# Altium PCB USB_HUB.PcbDoc (part 1 of 2)
Units mil, origin at the board's own origin, x right, y up, seen from the top; angles counter-clockwise.
Board outline 2559.06 x 3937.01 mil, 4 copper layers (Top Layer, Top GND, Bottom GND, Bottom Layer), stack 58.742 mil thick; 153 components, 104 nets, 461 pads, 534 vias.
Unrouted connection lines stored in the file: 1.
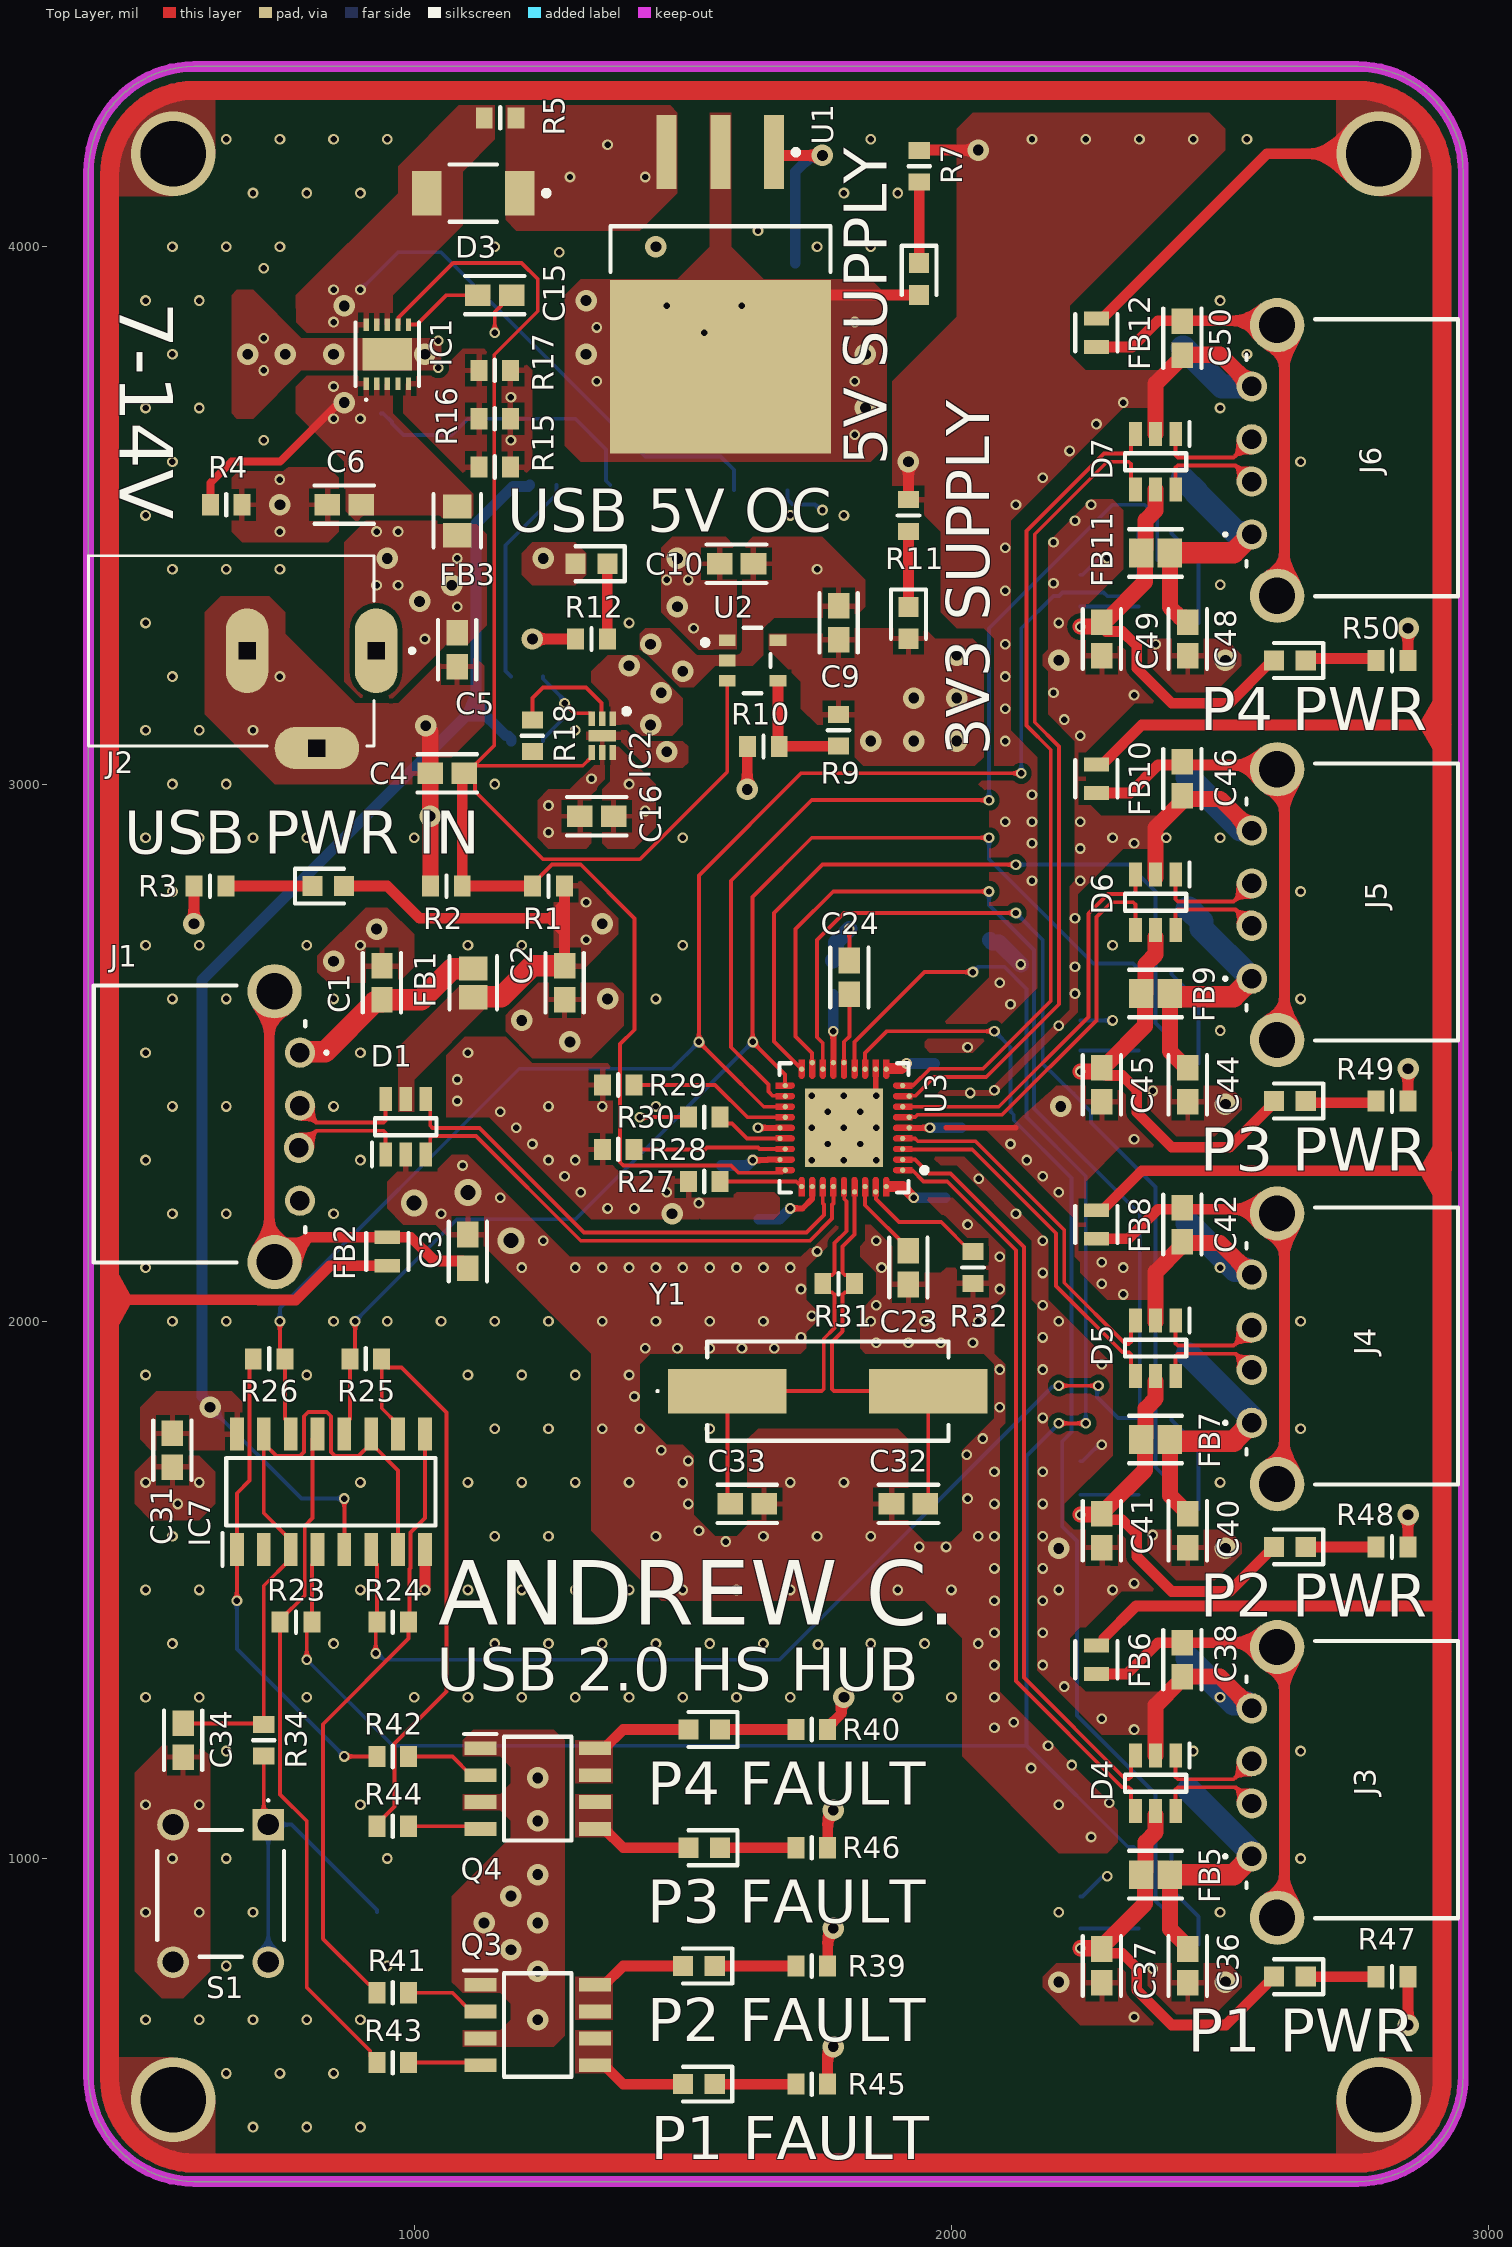
[diagram p0: Top Layer view]
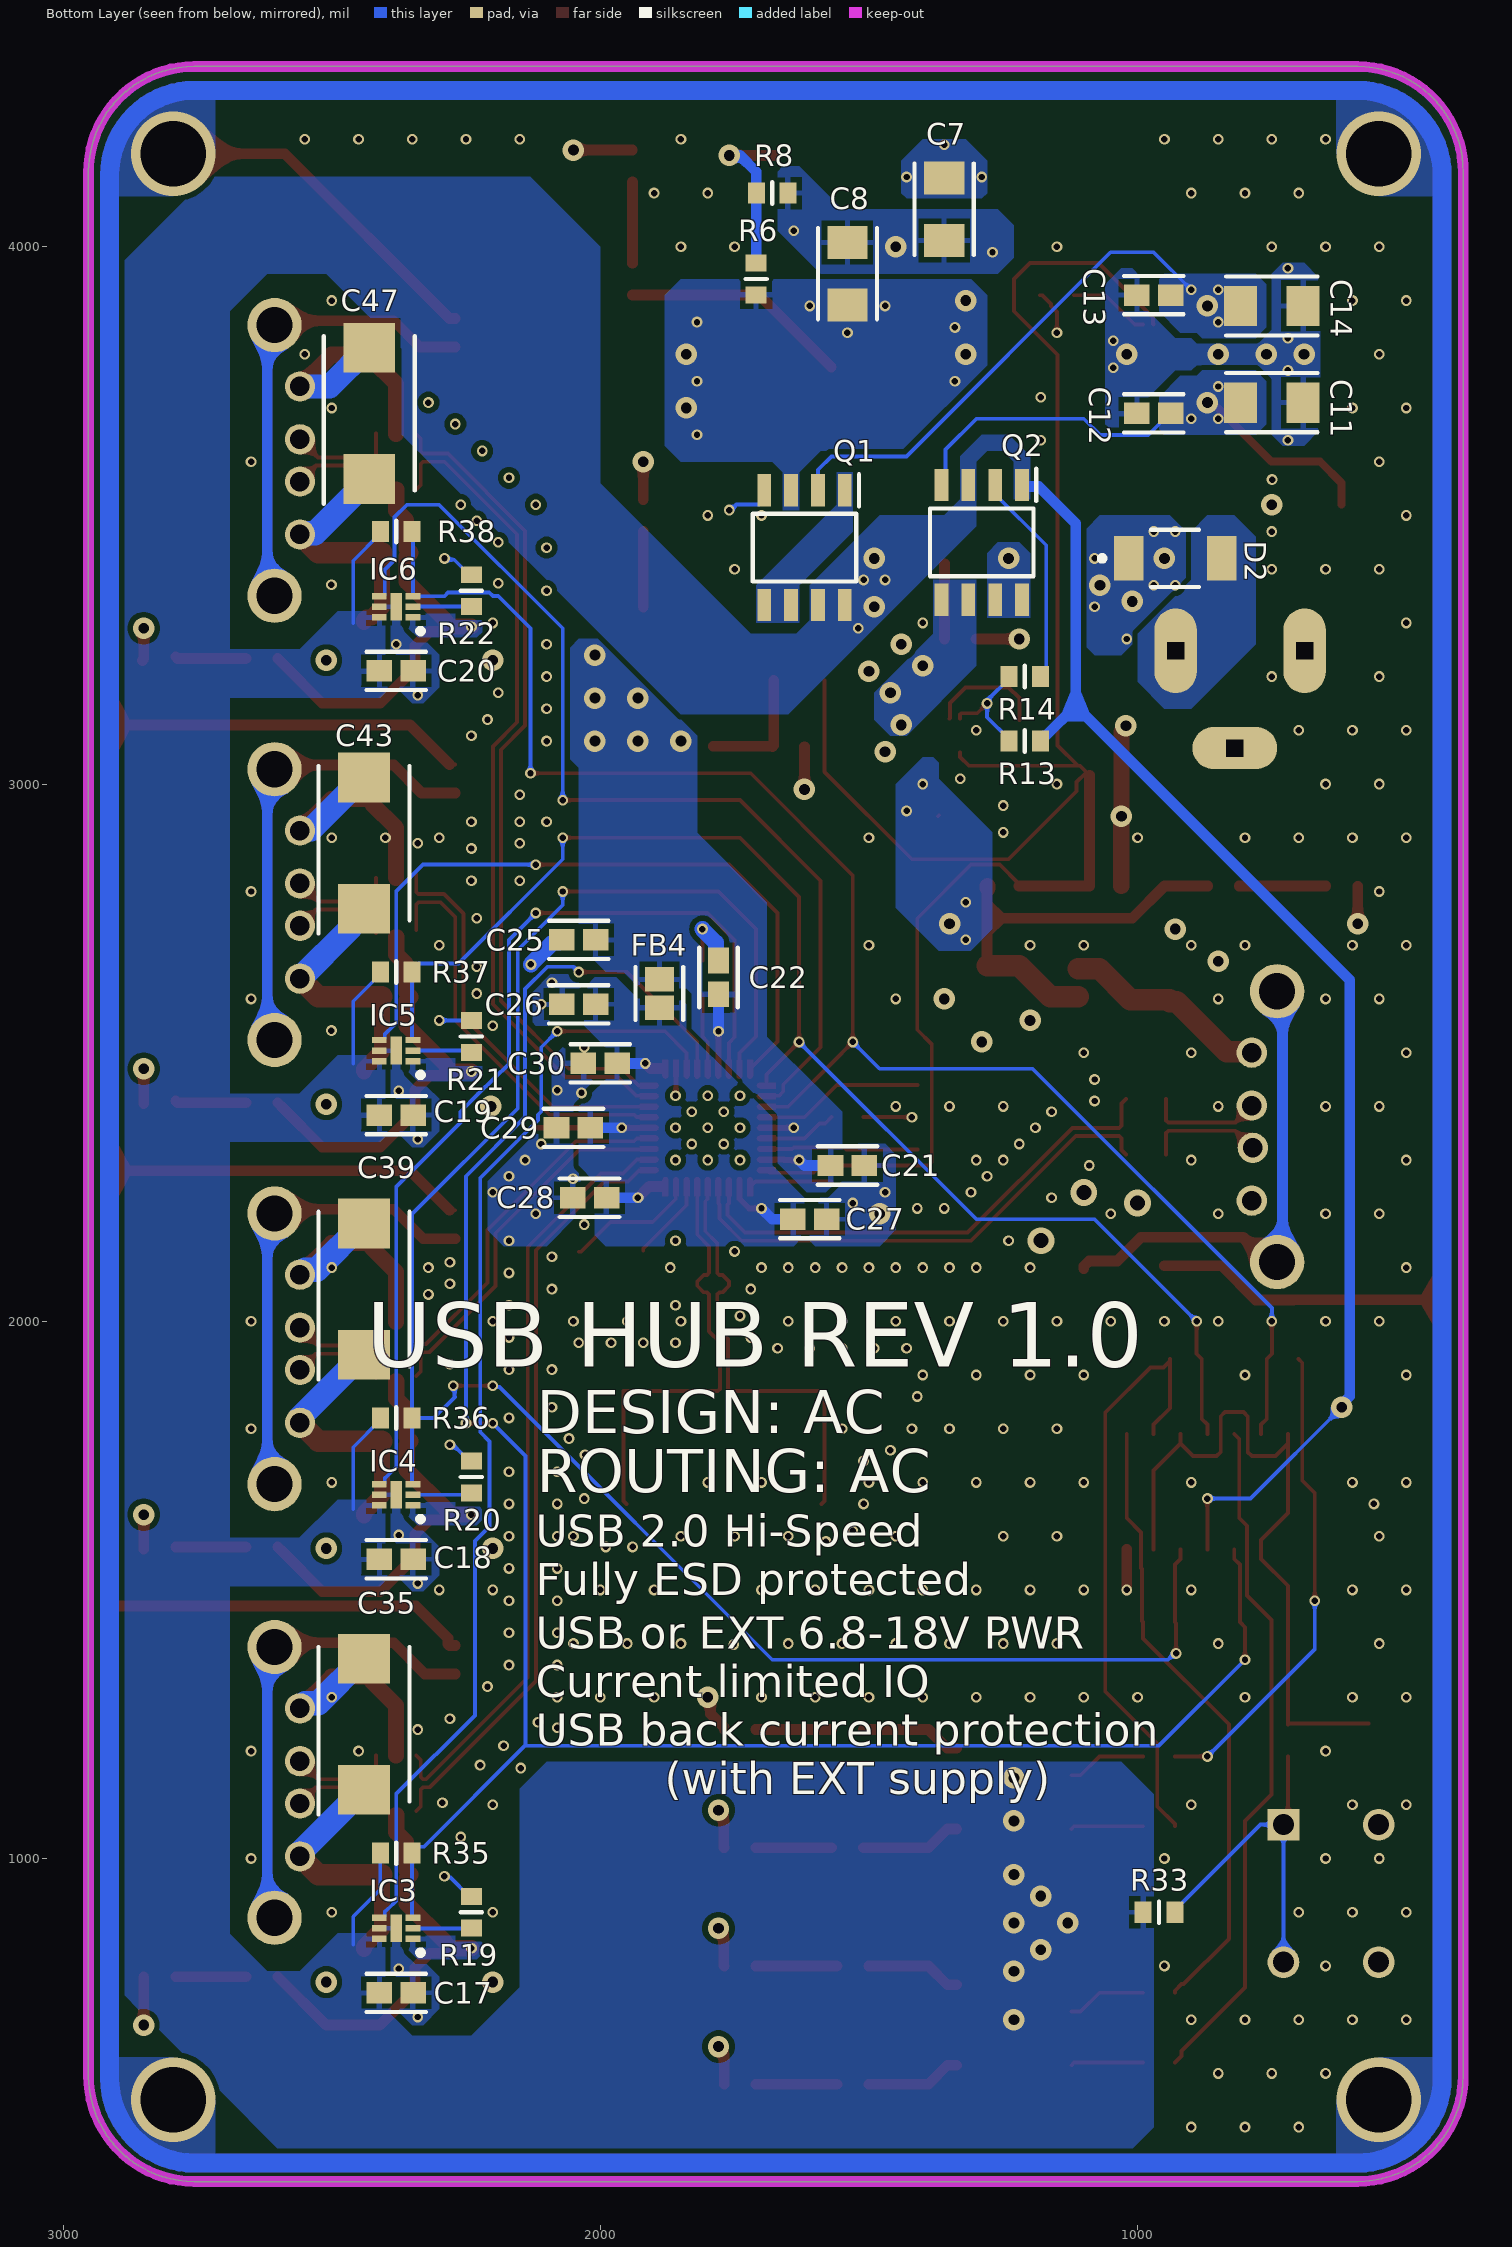
[diagram p1: Bottom Layer view, seen from below]
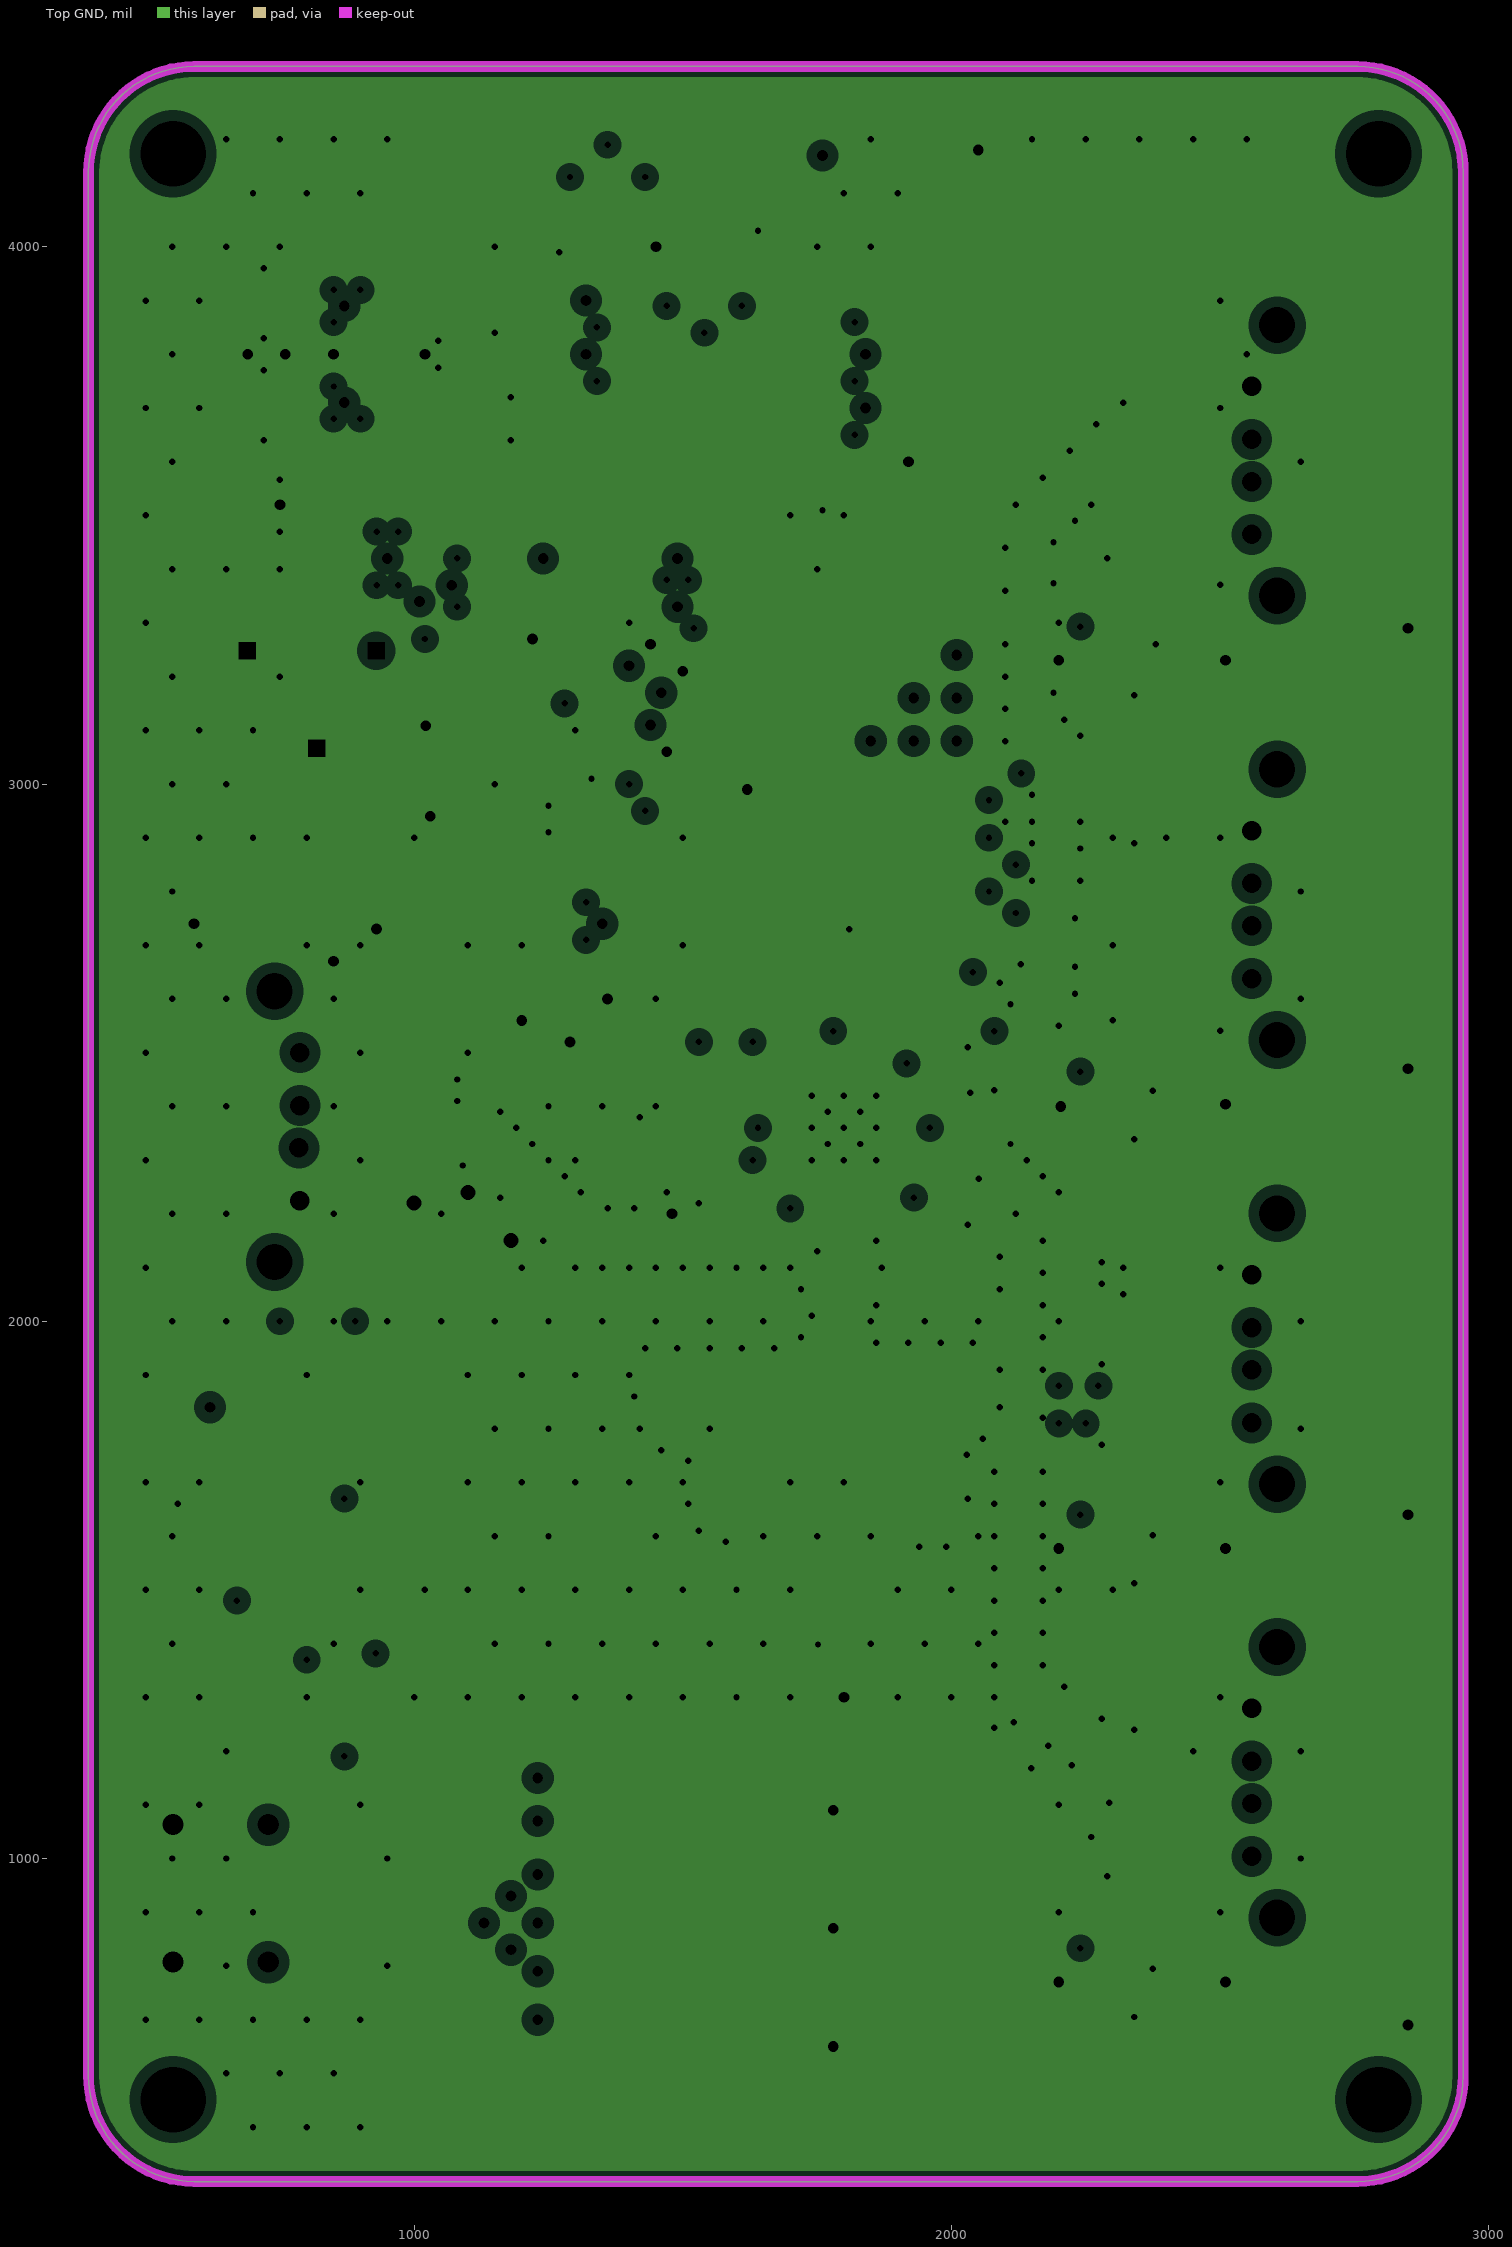
[diagram p2: Top GND, clearances drawn from the general rule]
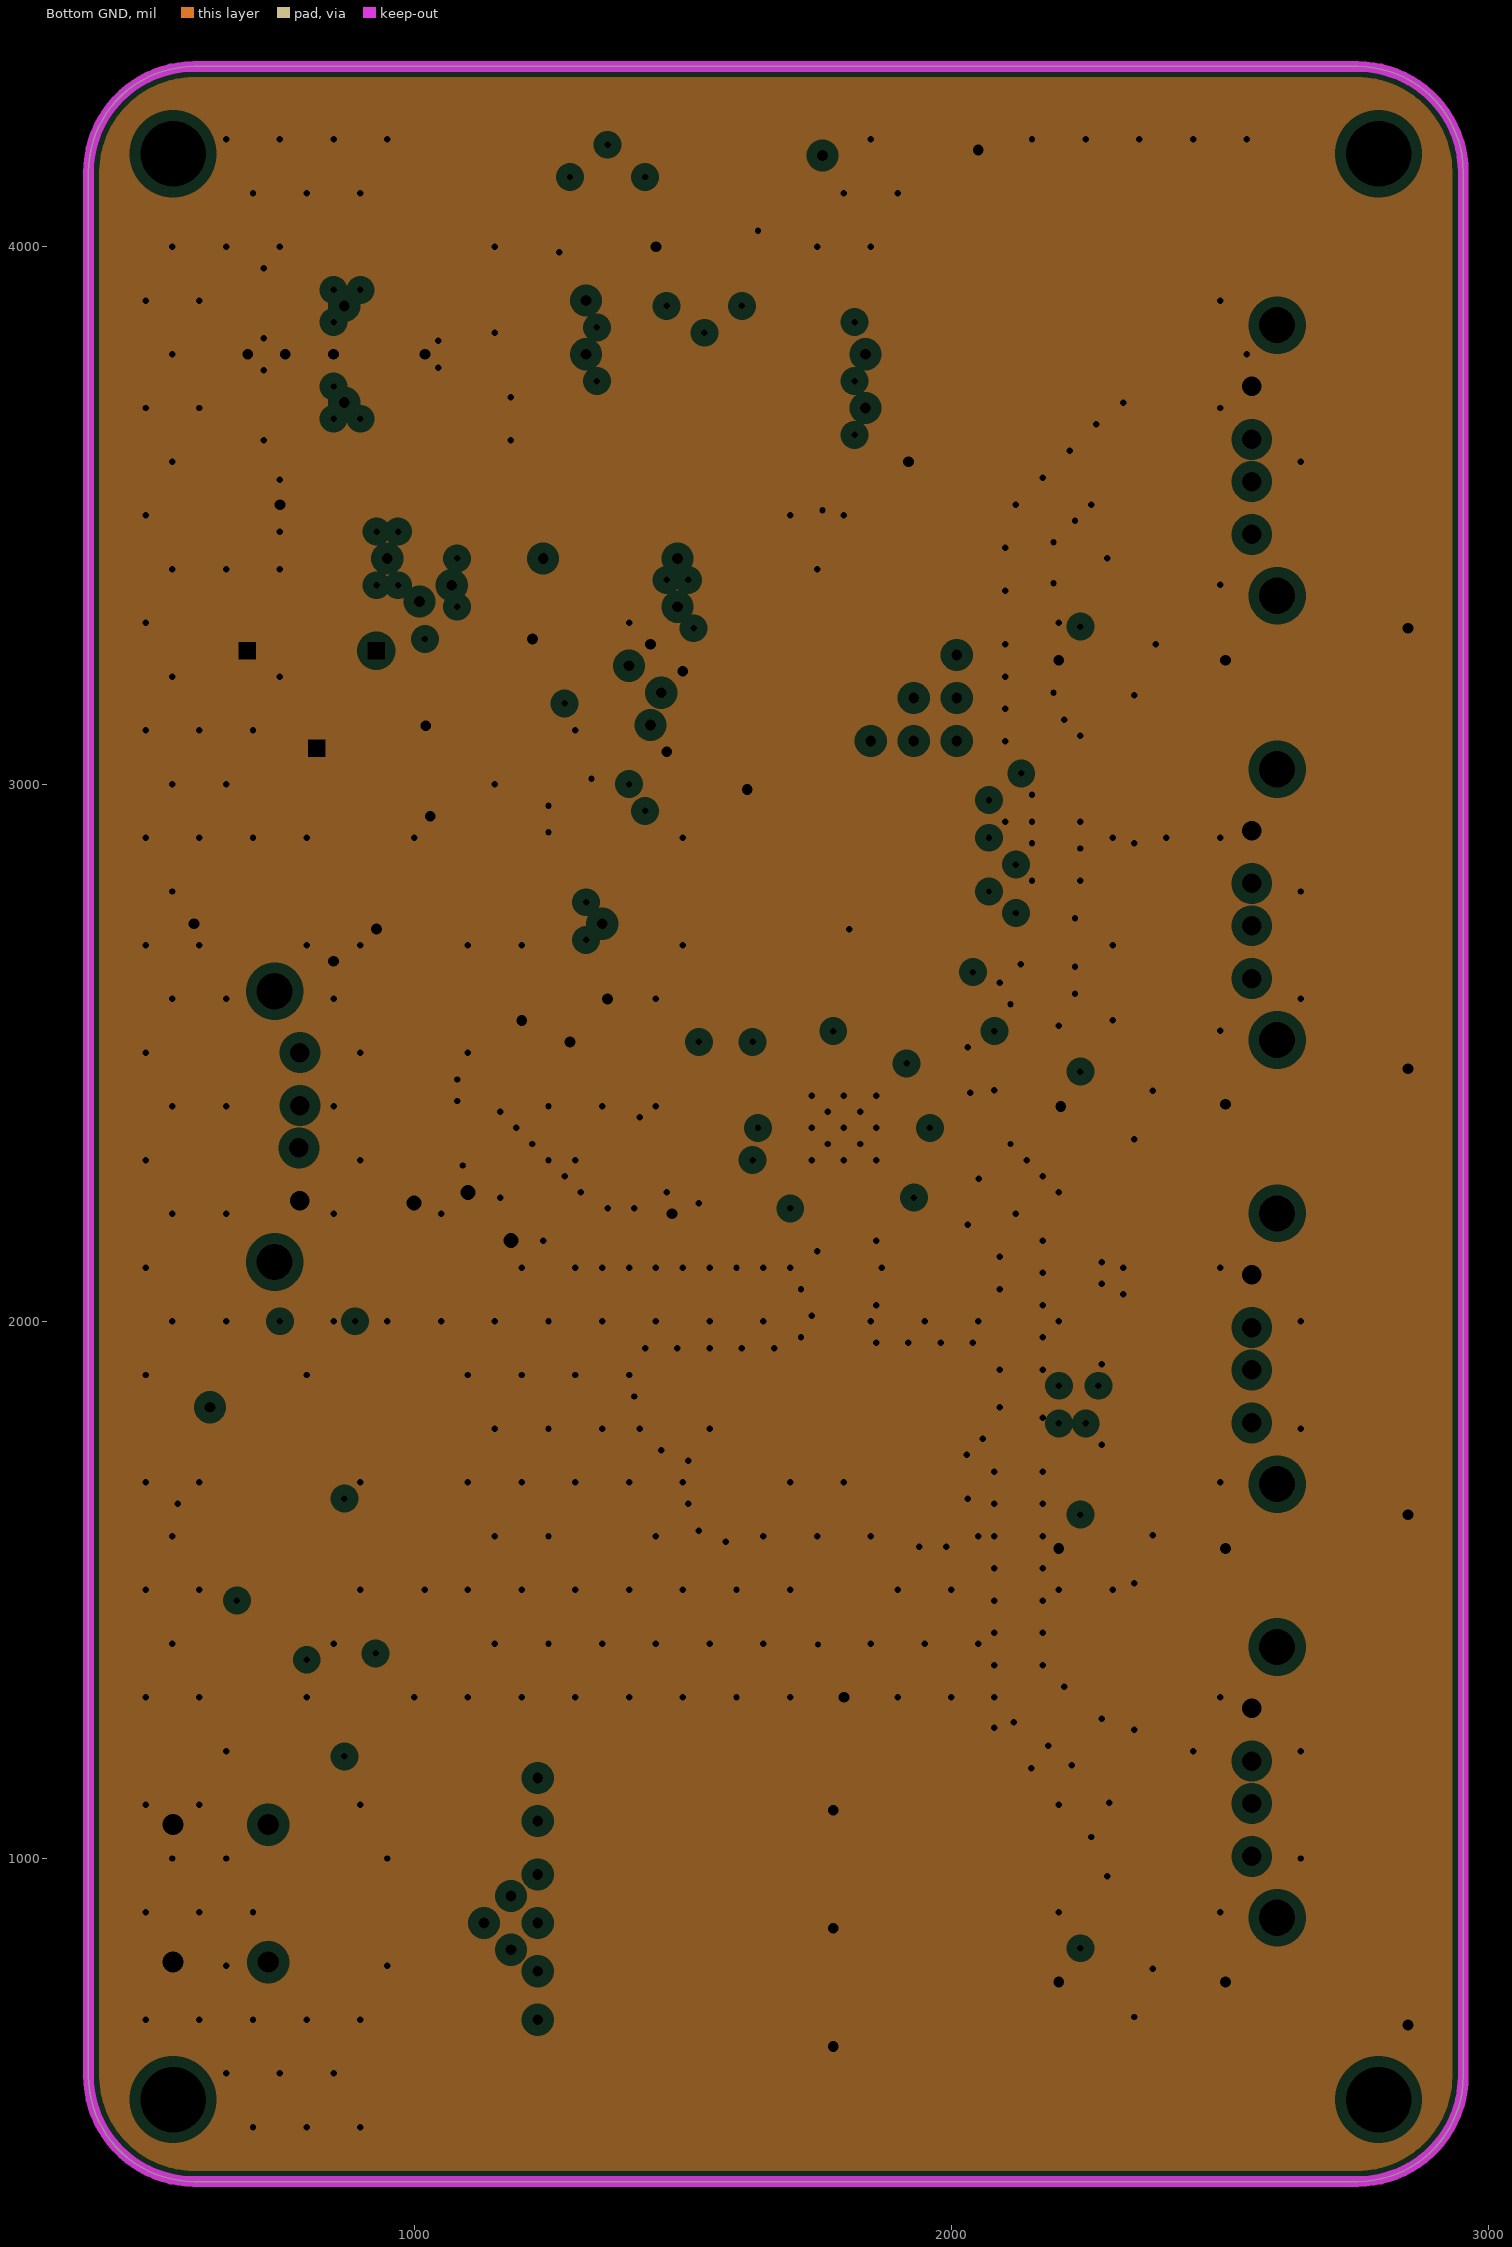
[diagram p3: Bottom GND, clearances drawn from the general rule]
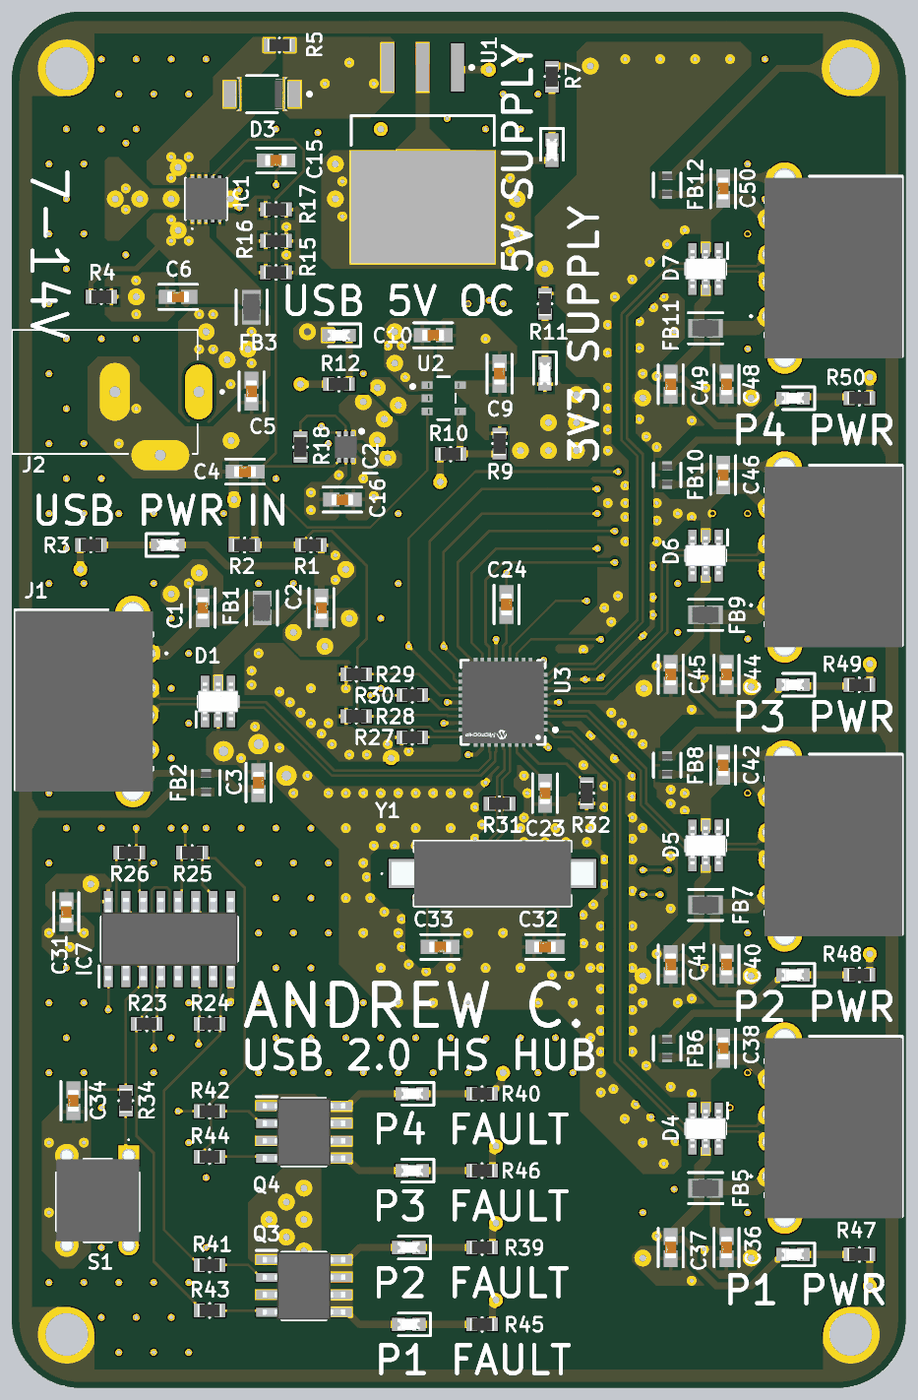
[diagram p5: 3D render of the assembled board from above, using the file's embedded part models]
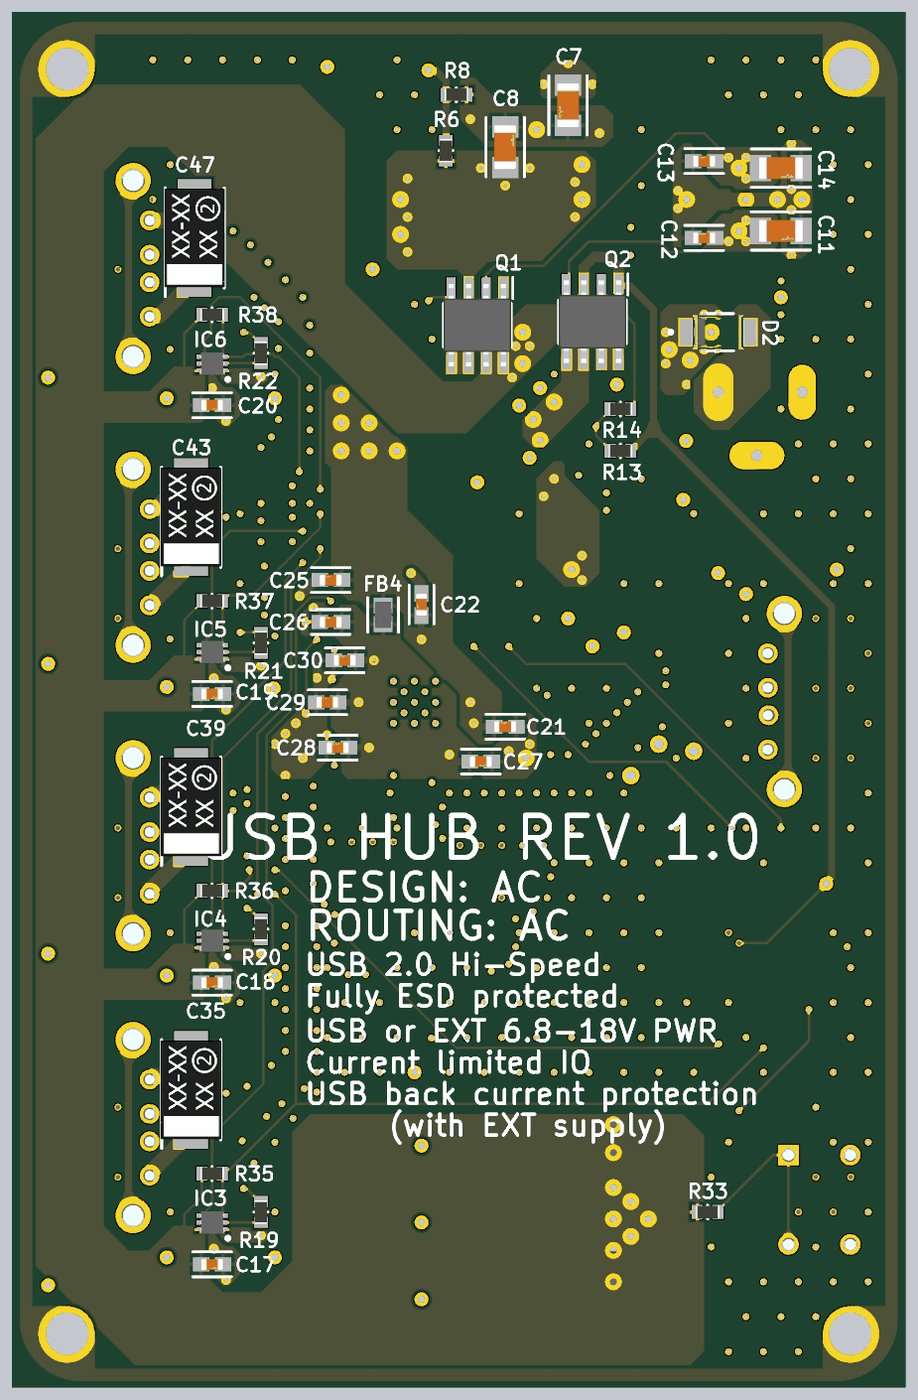
[diagram p6: 3D render of the assembled board from below, using the file's embedded part models]

## Layer stack, top to bottom
Top Solder: solder mask 1, SM-001, Dk 4
Top Layer: signal copper 0.709
Dielectric 1: prepreg 4.331, PP-017, Dk 4.29
Top GND: plane copper 0.709, net GND
Dielectric 3: core 47.244, Core-039, Dk 3.96
Bottom GND: plane copper 0.709, net GND
Dielectric 5: prepreg 4.331, PP-017, Dk 4.29
Bottom Layer: signal copper 0.709
Bottom Solder: solder mask 1, SM-001, Dk 4

## Board outline
590.55,398.7 cw(c590.55,595.55) 393.7,595.55 393.7,4138.86 cw(c590.55,4138.86) 590.55,4335.71 2755.91,4335.71 cw(c2755.91,4138.86) 2952.76,4138.86 2952.76,595.55 cw(c2755.91,595.55) 2755.91,398.7

## Design rules (kind name [scope] priority, off if disabled: settings)
Clearance [All] p1: gap=10 ignorepadtopadclearanceinfootprint=TRUE except(0: Arc-Hole Track-Hole SMDPad-Hole THPad-Hole Via-Hole Fill-Hole Poly-Hole Region-Hole Text-Hole; 6: Arc-Arc Arc-Track Track-Track SMDPad-SMDPad; 7: Arc-SMDPad Track-SMDPad)
DiffPairsRouting [All] p1: maxlimit=7.9 minlimit=7.9 mostfreqgap=7.9 toplayer_minwidth=7.14 toplayer_maxwidth=7.14 toplayer_prefwidth=7.14 bottomlayer_minwidth=7.14 bottomlayer_maxwidth=7.14 bottomlayer_prefwidth=7.14 impedanceprofiledriven=TRUE impedanceprofileid={C8CEBF79-A294-466F-9812-F5E61108482E} impedanceprofilevalue=90.000000 maxuncoupledlength=500
PlaneClearance [All] p1: clearance=20
PlaneConnect [All] p1: planeconnectstyle=Direct reliefexpansion=20 reliefentries=4 reliefconductorwidth=10 reliefairgap=10
PolygonConnect [All] p1: thpad.connectstyle=Direct thpad.reliefconductorwidth=10 thpad.reliefentries=4 thpad.polygonreliefangle="90 Angle" thpad.airgapwidth=10 smdpad.connectstyle=Relief smdpad.reliefconductorwidth=10 smdpad.reliefentries=4 smdpad.polygonreliefangle="90 Angle" smdpad.airgapwidth=10 via.connectstyle=Direct via.reliefconductorwidth=10 via.reliefentries=4 via.polygonreliefangle="90 Angle" via.airgapwidth=10
RoutingVias [All] p1: holewidth=20 width=40 viastyle="Through Hole" minholewidth=11.81 minwidth=19.68 maxholewidth=196.85 maxwidth=393.7
SolderMaskExpansion [All] p1: expansion=4 istentingtop=FALSE
Width [All] p1: maxlimit=50 minlimit=6 preferedwidth=7.14 impedanceprofiledriven=TRUE impedanceprofileid={D798A17C-1A53-442A-A6B7-8DB63A4B9F40} impedanceprofilevalue=50.000000 minimp=50.000000 maximp=50.000000 favimp=50.000000
27 further rules are at their usual default settings.

## Classes and differential pairs
component class Inputs: C1 C2 C3 C4 C5 C6 D1 D7 FB1 FB2 FB3 J1 J2 R1 R2 R3 R4 "USB PWR IN"
component class USB_HUB: C21 C22 C23 C24 C25 C26 C27 C28 C29 C30 C31 C32 C33 C34 FB4 IC7 "P1 FAULT" "P2 FAULT" "P3 FAULT" "P4 FAULT" Q3 Q4 R23 R24 R25 R26 R27 R28 R29 R30 R31 R32 R33 R34 R35 R36 R37 R38 R39 R40 R41 R42 R43 R44 R45 R46 S1 U3 Y1
component class Outputs: C35 C36 C37 C38 C39 C40 C41 C42 C43 C44 C45 C46 C47 C48 C49 C50 D7 FB5 FB6 FB7 FB8 FB9 FB10 FB11 FB12 J3 J4 J5 J6 "P1 PWR" "P2 PWR" "P3 PWR" "P4 PWR" R47 R48 R49 R50
component class Power: "3V3 SUPPLY" "5V SUPPLY" C7 C8 C9 C10 C11 C12 C13 C14 C15 C16 C17 C18 C19 C20 D7 IC1 IC2 IC3 IC4 IC5 IC6 IC? Q1 Q2 R5 R6 R7 R8 R9 R10 R11 R12 R13 R14 R15 R16 R17 R18 R19 R20 R21 R22 U1 U2 "USB 5V OC"
differential pair XTAL: +XTAL_P -XTAL_N
differential pair D_up: +D_up_P -D_up_N
differential pair D_P4: +D_P3_P -D_P3_N
differential pair D_P3: +D_P4_P -D_P4_N
differential pair D_P2: +D_P2_P -D_P2_N
differential pair D_P1: +D_P1_P -D_P1_N
differential pair D_O4: +D_O4_P -D_O4_N
differential pair D_O3: +D_O3_P -D_O3_N
differential pair D_O2: +D_O2_P -D_O2_N
differential pair D_O1: +D_O1_P -D_O1_N
differential pair D_in: +D_in_P -D_in_N
